# Altium PCB UZ_D_Optical_Daughter.PcbDoc (part 1 of 2)
Units mm, origin at the board's own origin, x right, y up, seen from the top; angles counter-clockwise.
Board outline 113.5 x 100 mm, 2 copper layers (Top Layer, Bottom Layer); 252 components, 135 nets, 734 pads, 115 vias.
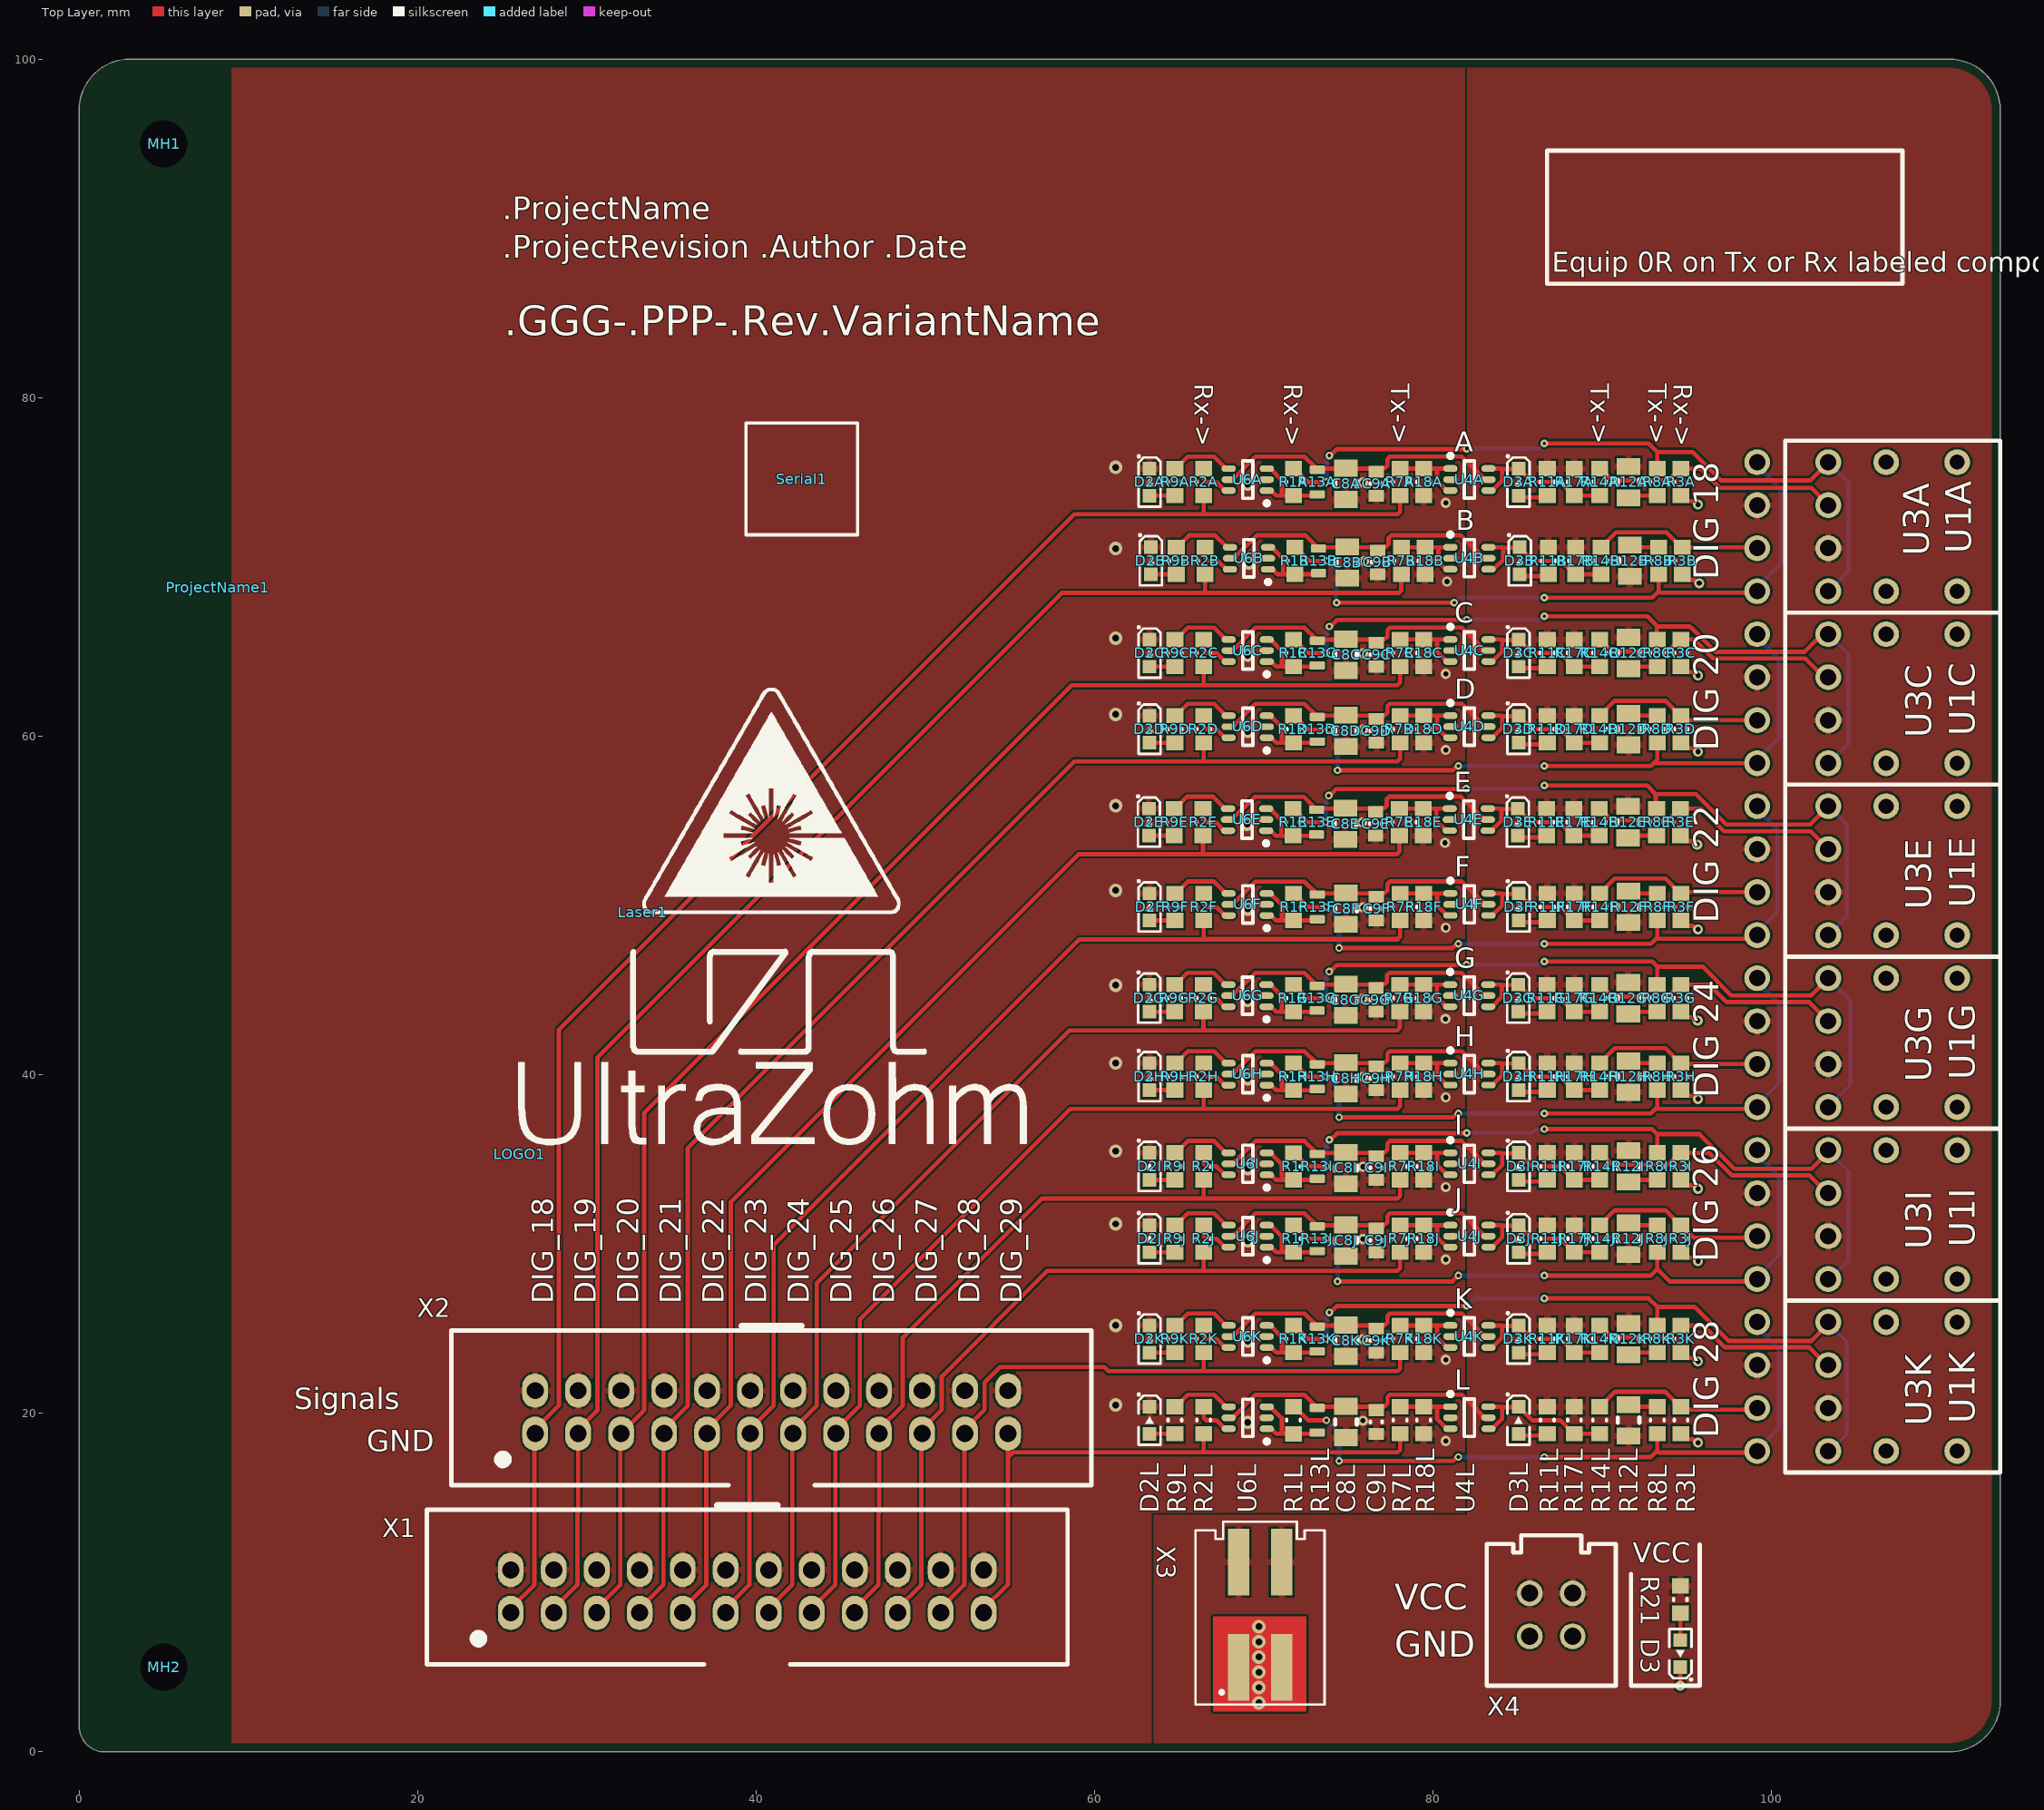
[diagram p0: Top Layer view]
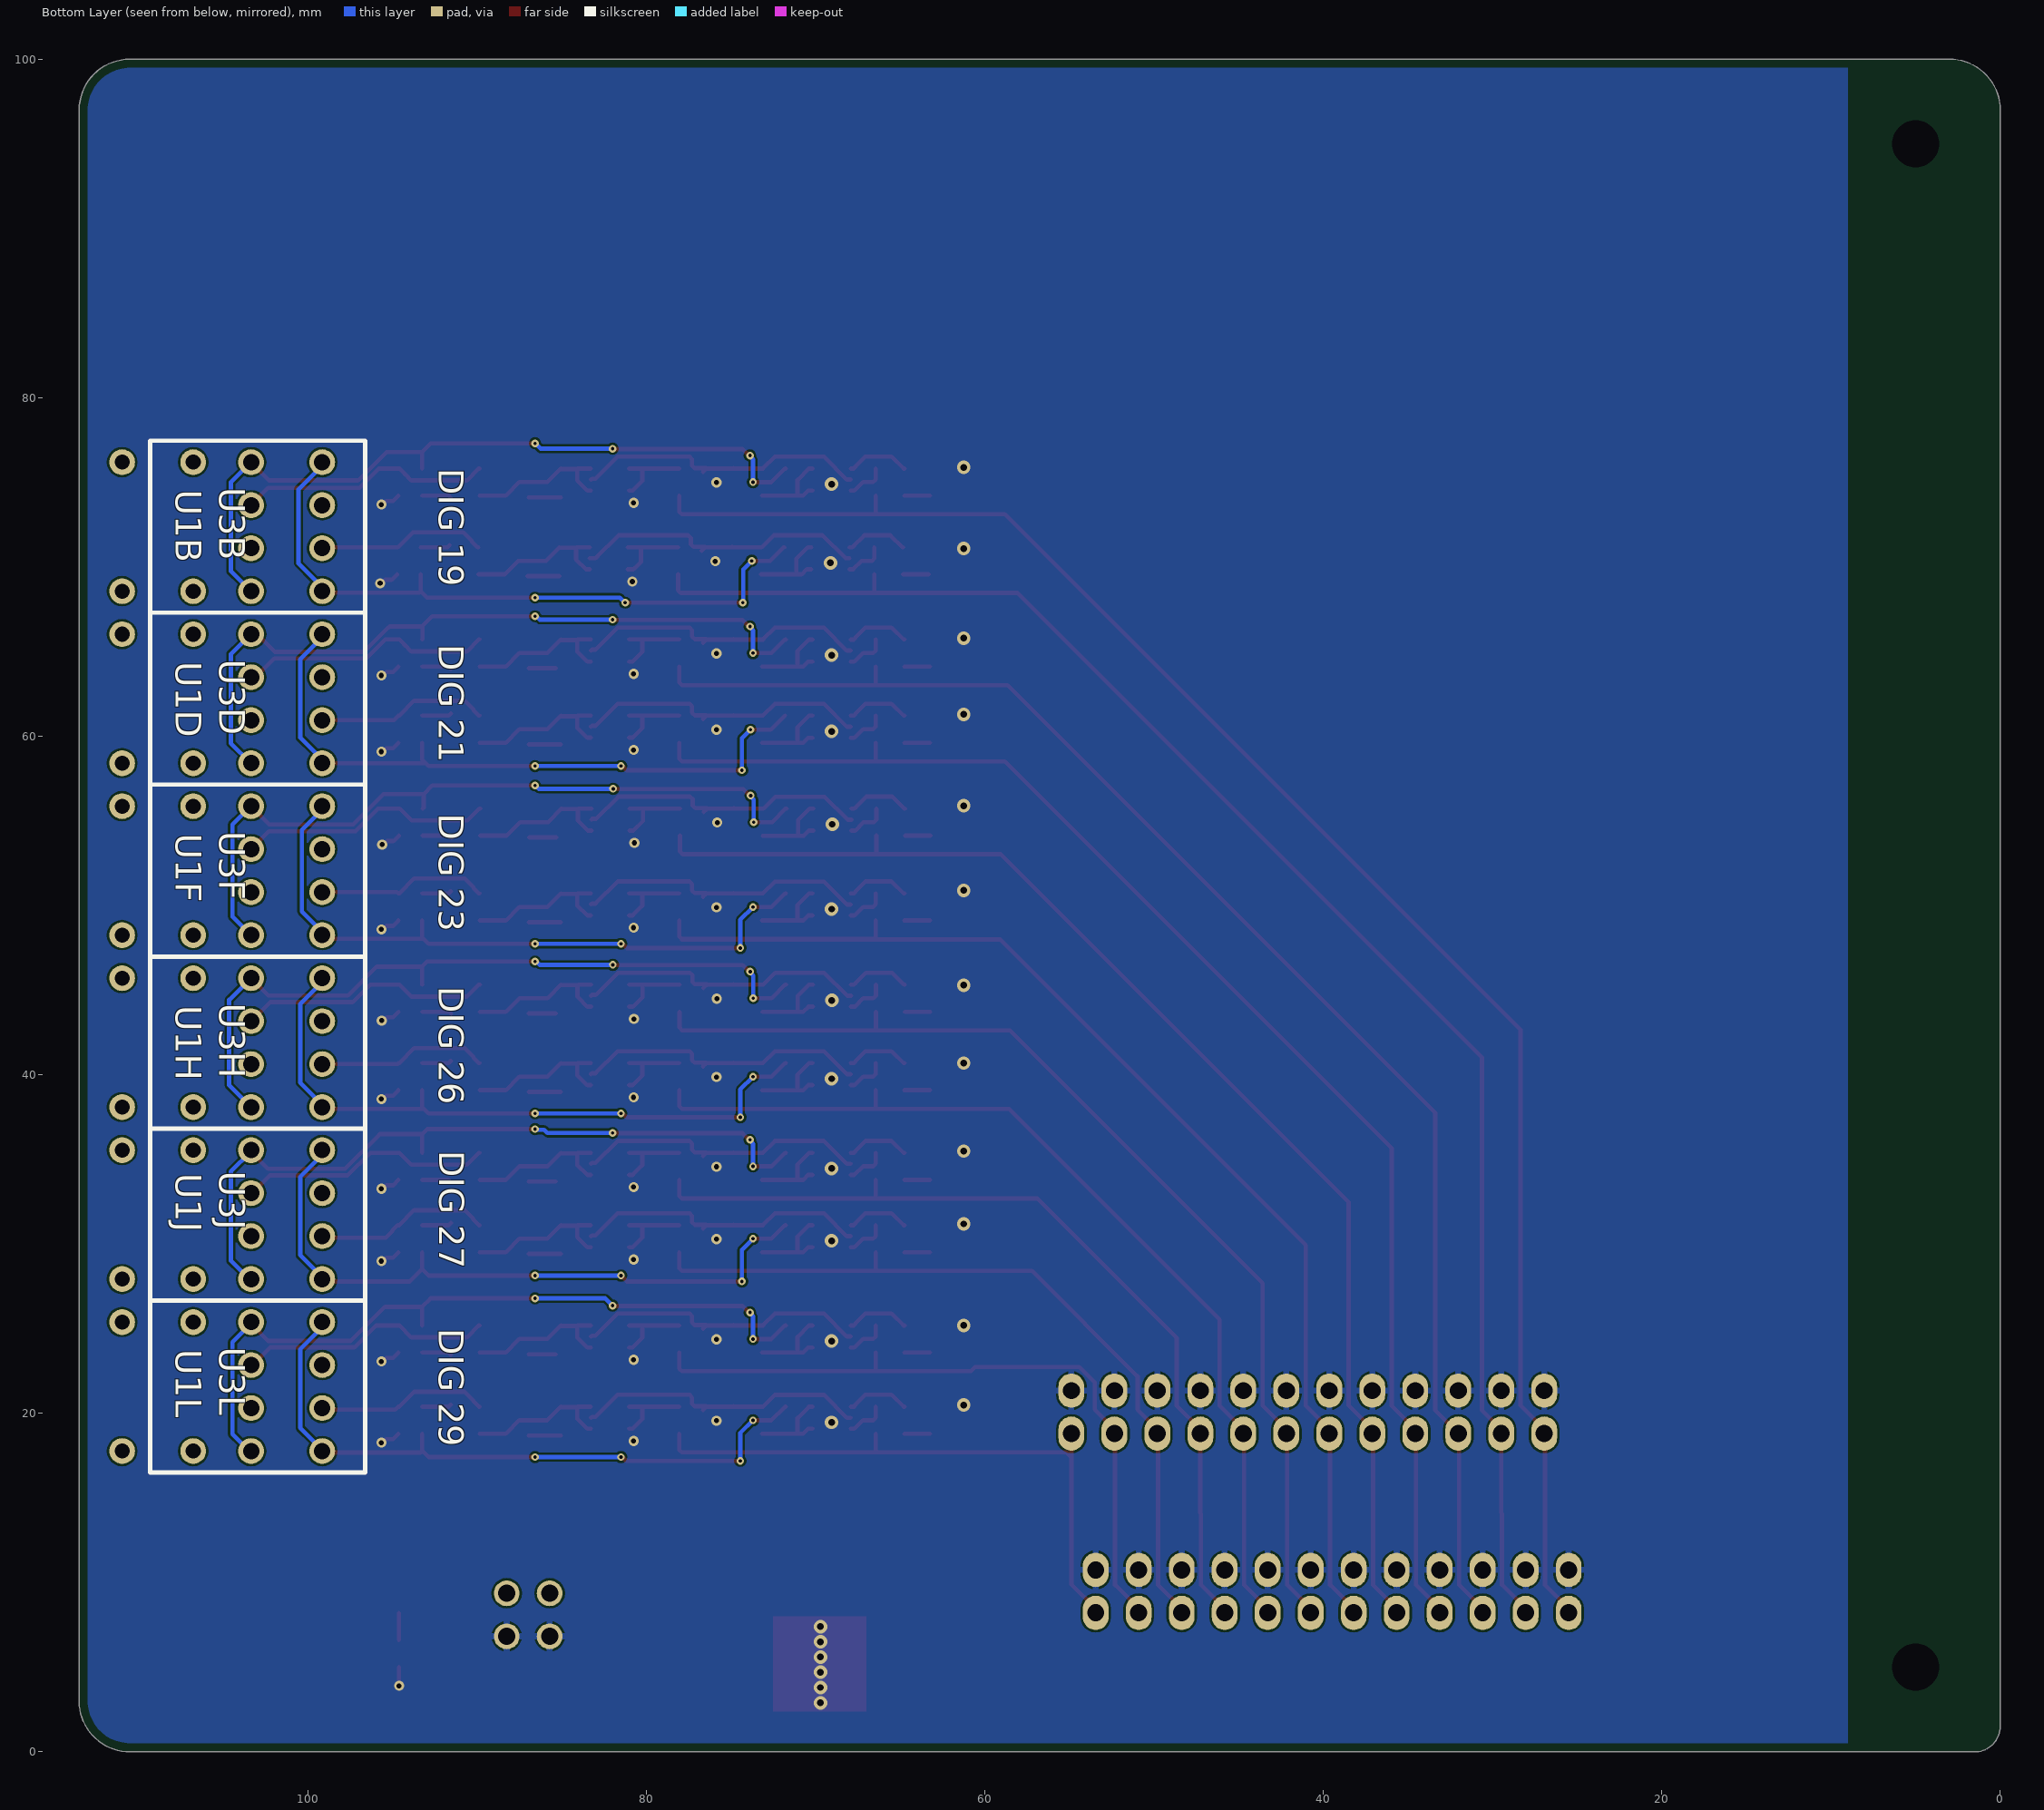
[diagram p1: Bottom Layer view, seen from below]
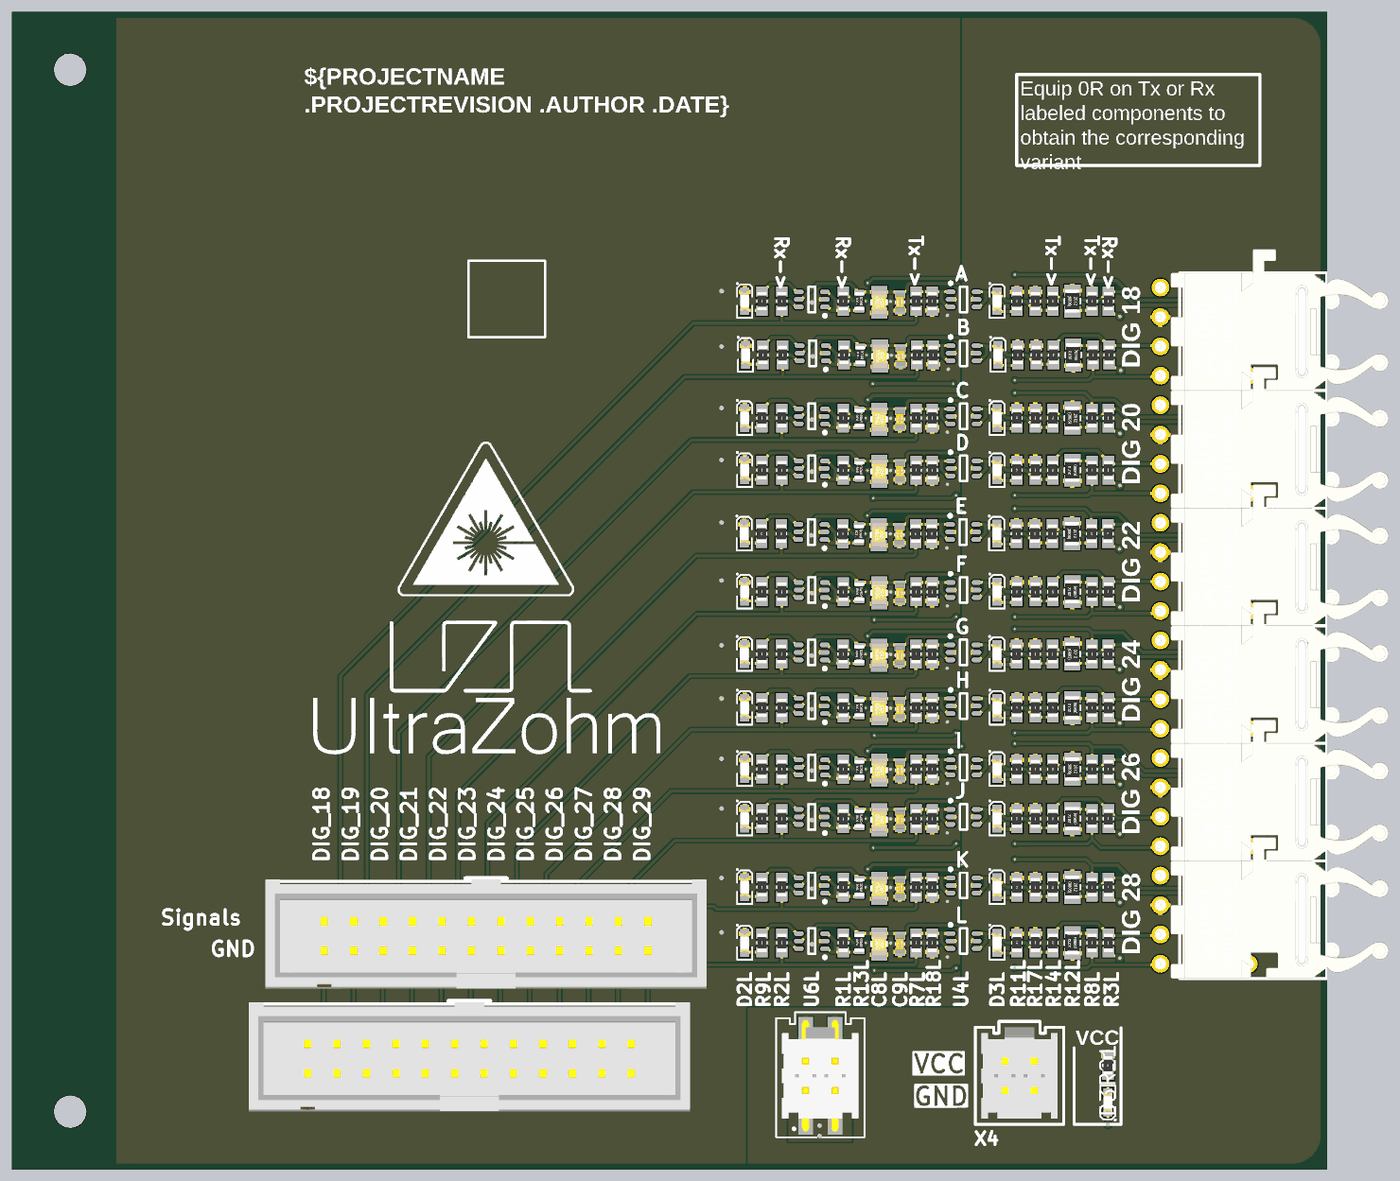
[diagram p3: 3D render of the assembled board from above, using the file's embedded part models]
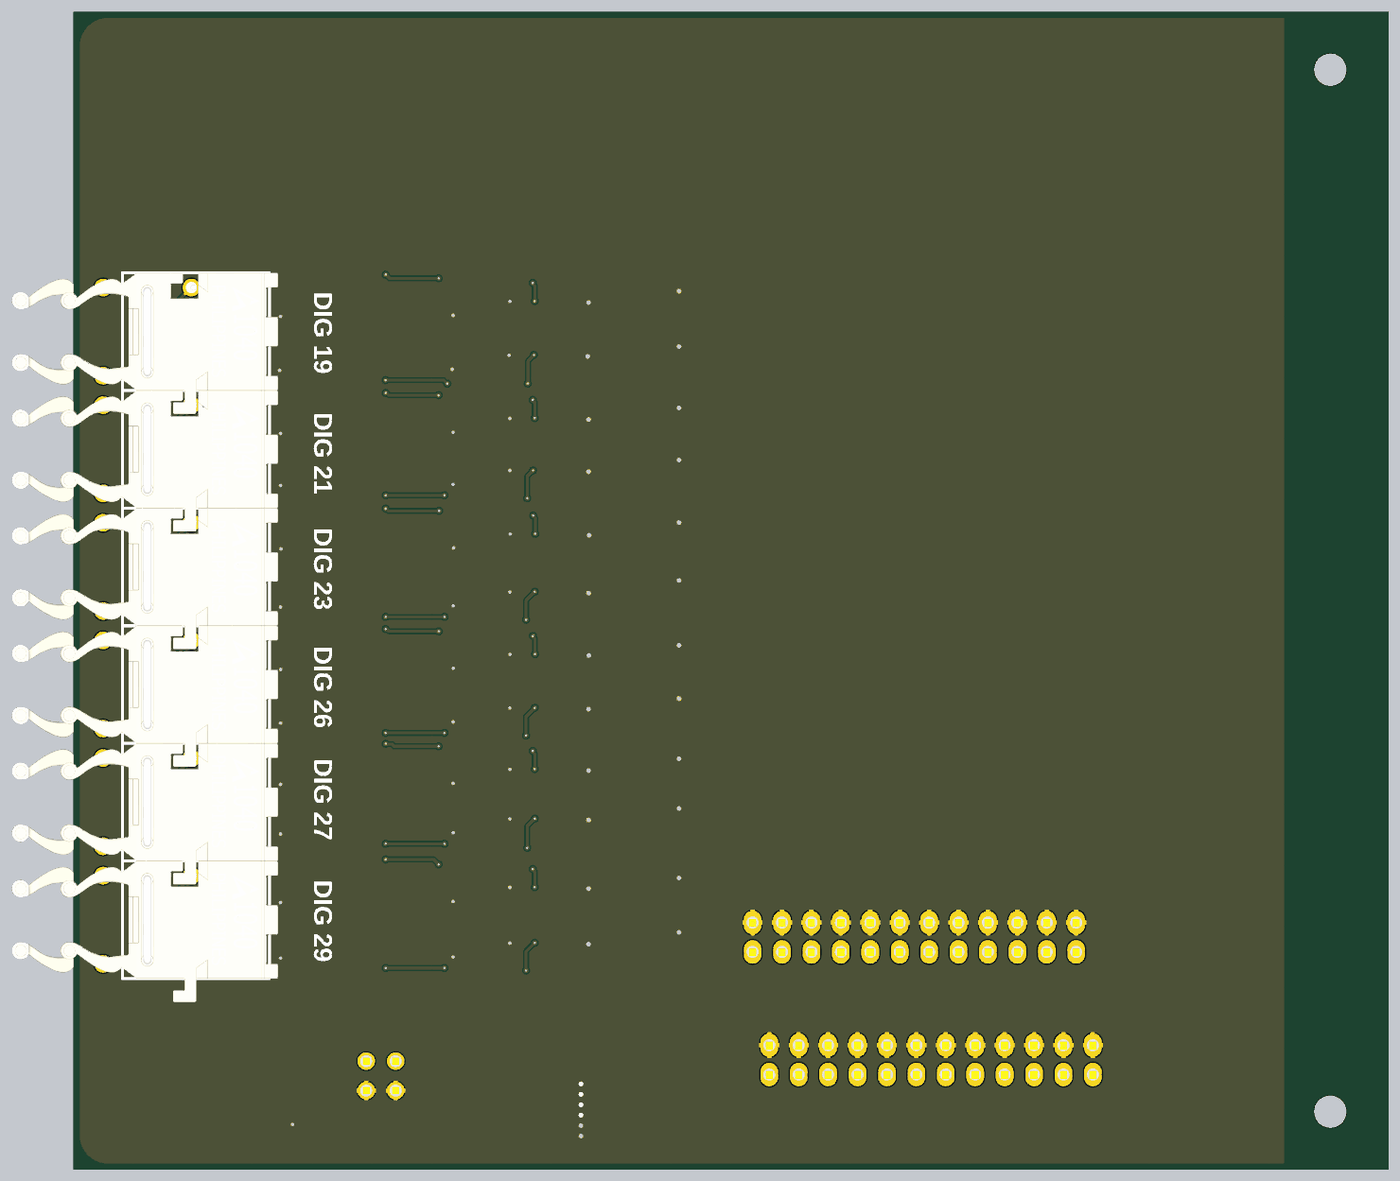
[diagram p4: 3D render of the assembled board from below, using the file's embedded part models]

## Layer stack, top to bottom
Top Solder: solder mask 0.0102, Solder Resist, Dk 3.5
Top Layer: signal copper 0.0356
Dielectric 1: dielectric 0.32, FR-4, Dk 4.8
Bottom Layer: signal copper 0.0356
Bottom Solder: solder mask 0.0102, Solder Resist, Dk 3.5

## Board outline
1.5,0 cw(c1.5,1.5) 0,1.5 0,97 cw(c3,97) 3,100 110.5,100 cw(c110.5,97) 113.5,97 113.5,3 cw(c110.5,3) 110.5,0

## Design rules (kind name [scope] priority, off if disabled: settings)
BoardOutlineClearance [All] p1: gap=0.508 ignorepadtopadclearanceinfootprint=FALSE except(0: Arc-OutlineEdge Arc-CavityEdge Arc-CutoutEdge Arc-SplitBarrior Arc-SplitContinuation Track-OutlineEdge Track-CavityEdge Track-CutoutEdge Track-SplitBarrior Track-SplitContinuation Region-OutlineEdge Region-CavityEdge Region-CutoutEdge Region-SplitBarrior Region-SplitContinuation Text-OutlineEdge Text-CavityEdge Text-CutoutEdge Text-SplitBarrior Text-SplitContinuation)
Clearance Clearance_Vin [InNet('VIN') vs InNet('VIN') AND NOT InComponent('X1')] p1: gap=0.375 ignorepadtopadclearanceinfootprint=FALSE
Clearance Clearance_1 [All] p2: gap=0.127 ignorepadtopadclearanceinfootprint=FALSE
HoleSize [All] p1: absolutevalues=TRUE maxlimit=6.3 minlimit=0.2 maxpercent=80.000 minpercent=20.000
MinimumSolderMaskSliver [All] p1: minsoldermaskwidth=0
PolygonConnect PolygonConnect_1 [InNet('VIN')   or InNet('SW') or (InNet('VCC')   and InComponentClass('Power'))] p1: connectstyle=Direct reliefconductorwidth=0.4 reliefentries=4 polygonreliefangle="90 Angle" airgapwidth=0.254
PolygonConnect [All] p2: thpad.connectstyle=Relief thpad.reliefconductorwidth=0.381 thpad.reliefentries=4 thpad.polygonreliefangle="90 Angle" thpad.airgapwidth=0.127 smdpad.connectstyle=Relief smdpad.reliefconductorwidth=0.381 smdpad.reliefentries=4 smdpad.polygonreliefangle="90 Angle" smdpad.airgapwidth=0.127 via.connectstyle=Direct via.reliefconductorwidth=0.381 via.reliefentries=4 via.polygonreliefangle="90 Angle" via.airgapwidth=0.127
RoutingVias [All] p1: holewidth=0.3 width=0.6 viastyle="Through Hole" minholewidth=0.3 minwidth=0.6 maxholewidth=0.4 maxwidth=0.8
SMDToPlane [All] p1 off: distance=0
SilkToSilkClearance [All] p1: silktosilkclearance=0
SilkToSolderMaskClearance [IsPad] p1: minsilkscreentomaskgap=0 clearancetoexposedcopper=TRUE
SolderMaskExpansion [All] p1: expansion=0.102 istentingtop=FALSE
SupplyNets "Schematic Supply Nets_3" [InNet('GND')] p1: voltage=0.000
SupplyNets "Schematic Supply Nets_2" [InNet('VCC')] p2: voltage=0.000
Width Width_PWR [InNet('VCC') or InNet('GND') or InNet('VIN')] p1: maxlimit=1.5 minlimit=0.127 preferedwidth=0.508 minimp=50.000000 maximp=50.000000 favimp=50.000000
Width [All] p2: maxlimit=1.5 minlimit=0.127 preferedwidth=0.254 minimp=50.000000 maximp=50.000000 favimp=50.000000
26 further rules are at their usual default settings.

## Classes and differential pairs
channel class Optical_RX_TX: TX_RX18 TX_RX19 TX_RX20 TX_RX21 TX_RX22 TX_RX23 TX_RX24 TX_RX25 TX_RX26 TX_RX27 TX_RX28 TX_RX29
net class Signal[18..29]: Signal18 Signal19 Signal20 Signal21 Signal22 Signal23 Signal24 Signal25 Signal26 Signal27 Signal28 Signal29
component class TX_RX29: C8L C9L D2L D3L R1L R2L R3L R7L R8L R9L R11L R12L R13L R14L R17L R18L U1L U3L U4L U6L
component class TX_RX28: C8K C9K D2K D3K R1K R2K R3K R7K R8K R9K R11K R12K R13K R14K R17K R18K U1K U3K U4K U6K
component class TX_RX27: C8J C9J D2J D3J R1J R2J R3J R7J R8J R9J R11J R12J R13J R14J R17J R18J U1J U3J U4J U6J
component class TX_RX26: C8I C9I D2I D3I R1I R2I R3I R7I R8I R9I R11I R12I R13I R14I R17I R18I U1I U3I U4I U6I
component class TX_RX25: C8H C9H D2H D3H R1H R2H R3H R7H R8H R9H R11H R12H R13H R14H R17H R18H U1H U3H U4H U6H
component class TX_RX24: C8G C9G D2G D3G R1G R2G R3G R7G R8G R9G R11G R12G R13G R14G R17G R18G U1G U3G U4G U6G
component class TX_RX23: C8F C9F D2F D3F R1F R2F R3F R7F R8F R9F R11F R12F R13F R14F R17F R18F U1F U3F U4F U6F
component class TX_RX22: C8E C9E D2E D3E R1E R2E R3E R7E R8E R9E R11E R12E R13E R14E R17E R18E U1E U3E U4E U6E
component class TX_RX21: C8D C9D D2D D3D R1D R2D R3D R7D R8D R9D R11D R12D R13D R14D R17D R18D U1D U3D U4D U6D
component class TX_RX20: C8C C9C D2C D3C R1C R2C R3C R7C R8C R9C R11C R12C R13C R14C R17C R18C U1C U3C U4C U6C
component class TX_RX19: C8B C9B D2B D3B R1B R2B R3B R7B R8B R9B R11B R12B R13B R14B R17B R18B U1B U3B U4B U6B
component class TX_RX18: C8A C9A D2A D3A R1A R2A R3A R7A R8A R9A R11A R12A R13A R14A R17A R18A U1A U3A U4A U6A
component class TopSheet: D3 Laser1 LOGO1 MH1 MH2 ProjectName1 R21 Serial1 X1 X2 X3 X4
